# Allegro board LED_FIN.brd (continued)
## Nets (continued)
COL_OUT_A94: D26.1(CATHODE) D56.1(CATHODE) D86.1(CATHODE) D116.1(CATHODE) D146.1(CATHODE) D176.1(CATHODE) D206.1(CATHODE) D236.1(CATHODE) D266.1(CATHODE) D296.1(CATHODE) D326.1(CATHODE) D356.1(CATHODE) D386.1(CATHODE) D416.1(CATHODE) D446.1(CATHODE) D476.1(CATHODE) D506.1(CATHODE) D536.1(CATHODE) D566.1(CATHODE) D596.1(CATHODE) D626.1(CATHODE) D656.1(CATHODE) D686.1(CATHODE) D716.1(CATHODE) D746.1(CATHODE) D776.1(CATHODE) D806.1(CATHODE) D836.1(CATHODE) D866.1(CATHODE) D896.1(CATHODE) D926.1(CATHODE) D956.1(CATHODE) D986.1(CATHODE) D1016.1(CATHODE) D1046.1(CATHODE) D1076.1(CATHODE) D1106.1(CATHODE) D1136.1(CATHODE) R26.1
COL_OUT_A95: D25.1(CATHODE) D55.1(CATHODE) D85.1(CATHODE) D115.1(CATHODE) D145.1(CATHODE) D175.1(CATHODE) D205.1(CATHODE) D235.1(CATHODE) D265.1(CATHODE) D295.1(CATHODE) D325.1(CATHODE) D355.1(CATHODE) D385.1(CATHODE) D415.1(CATHODE) D445.1(CATHODE) D475.1(CATHODE) D505.1(CATHODE) D535.1(CATHODE) D565.1(CATHODE) D595.1(CATHODE) D625.1(CATHODE) D655.1(CATHODE) D685.1(CATHODE) D715.1(CATHODE) D745.1(CATHODE) D775.1(CATHODE) D805.1(CATHODE) D835.1(CATHODE) D865.1(CATHODE) D895.1(CATHODE) D925.1(CATHODE) D955.1(CATHODE) D985.1(CATHODE) D1015.1(CATHODE) D1045.1(CATHODE) D1075.1(CATHODE) D1105.1(CATHODE) D1135.1(CATHODE) R25.1
COL_OUT_A96: D24.1(CATHODE) D54.1(CATHODE) D84.1(CATHODE) D114.1(CATHODE) D144.1(CATHODE) D174.1(CATHODE) D204.1(CATHODE) D234.1(CATHODE) D264.1(CATHODE) D294.1(CATHODE) D324.1(CATHODE) D354.1(CATHODE) D384.1(CATHODE) D414.1(CATHODE) D444.1(CATHODE) D474.1(CATHODE) D504.1(CATHODE) D534.1(CATHODE) D564.1(CATHODE) D594.1(CATHODE) D624.1(CATHODE) D654.1(CATHODE) D684.1(CATHODE) D714.1(CATHODE) D744.1(CATHODE) D774.1(CATHODE) D804.1(CATHODE) D834.1(CATHODE) D864.1(CATHODE) D894.1(CATHODE) D924.1(CATHODE) D954.1(CATHODE) D984.1(CATHODE) D1014.1(CATHODE) D1044.1(CATHODE) D1074.1(CATHODE) D1104.1(CATHODE) D1134.1(CATHODE) R24.1
COL_OUT_A97: D23.1(CATHODE) D53.1(CATHODE) D83.1(CATHODE) D113.1(CATHODE) D143.1(CATHODE) D173.1(CATHODE) D203.1(CATHODE) D233.1(CATHODE) D263.1(CATHODE) D293.1(CATHODE) D323.1(CATHODE) D353.1(CATHODE) D383.1(CATHODE) D413.1(CATHODE) D443.1(CATHODE) D473.1(CATHODE) D503.1(CATHODE) D533.1(CATHODE) D563.1(CATHODE) D593.1(CATHODE) D623.1(CATHODE) D653.1(CATHODE) D683.1(CATHODE) D713.1(CATHODE) D743.1(CATHODE) D773.1(CATHODE) D803.1(CATHODE) D833.1(CATHODE) D863.1(CATHODE) D893.1(CATHODE) D923.1(CATHODE) D953.1(CATHODE) D983.1(CATHODE) D1013.1(CATHODE) D1043.1(CATHODE) D1073.1(CATHODE) D1103.1(CATHODE) D1133.1(CATHODE) R23.1
COL_OUT_A98: D22.1(CATHODE) D52.1(CATHODE) D82.1(CATHODE) D112.1(CATHODE) D142.1(CATHODE) D172.1(CATHODE) D202.1(CATHODE) D232.1(CATHODE) D262.1(CATHODE) D292.1(CATHODE) D322.1(CATHODE) D352.1(CATHODE) D382.1(CATHODE) D412.1(CATHODE) D442.1(CATHODE) D472.1(CATHODE) D502.1(CATHODE) D532.1(CATHODE) D562.1(CATHODE) D592.1(CATHODE) D622.1(CATHODE) D652.1(CATHODE) D682.1(CATHODE) D712.1(CATHODE) D742.1(CATHODE) D772.1(CATHODE) D802.1(CATHODE) D832.1(CATHODE) D862.1(CATHODE) D892.1(CATHODE) D922.1(CATHODE) D952.1(CATHODE) D982.1(CATHODE) D1012.1(CATHODE) D1042.1(CATHODE) D1072.1(CATHODE) D1102.1(CATHODE) D1132.1(CATHODE) R22.1
COL_OUT_A99: D21.1(CATHODE) D51.1(CATHODE) D81.1(CATHODE) D111.1(CATHODE) D141.1(CATHODE) D171.1(CATHODE) D201.1(CATHODE) D231.1(CATHODE) D261.1(CATHODE) D291.1(CATHODE) D321.1(CATHODE) D351.1(CATHODE) D381.1(CATHODE) D411.1(CATHODE) D441.1(CATHODE) D471.1(CATHODE) D501.1(CATHODE) D531.1(CATHODE) D561.1(CATHODE) D591.1(CATHODE) D621.1(CATHODE) D651.1(CATHODE) D681.1(CATHODE) D711.1(CATHODE) D741.1(CATHODE) D771.1(CATHODE) D801.1(CATHODE) D831.1(CATHODE) D861.1(CATHODE) D891.1(CATHODE) D921.1(CATHODE) D951.1(CATHODE) D981.1(CATHODE) D1011.1(CATHODE) D1041.1(CATHODE) D1071.1(CATHODE) D1101.1(CATHODE) D1131.1(CATHODE) R21.1
COL_OUT_A100: D20.1(CATHODE) D50.1(CATHODE) D80.1(CATHODE) D110.1(CATHODE) D140.1(CATHODE) D170.1(CATHODE) D200.1(CATHODE) D230.1(CATHODE) D260.1(CATHODE) D290.1(CATHODE) D320.1(CATHODE) D350.1(CATHODE) D380.1(CATHODE) D410.1(CATHODE) D440.1(CATHODE) D470.1(CATHODE) D500.1(CATHODE) D530.1(CATHODE) D560.1(CATHODE) D590.1(CATHODE) D620.1(CATHODE) D650.1(CATHODE) D680.1(CATHODE) D710.1(CATHODE) D740.1(CATHODE) D770.1(CATHODE) D800.1(CATHODE) D830.1(CATHODE) D860.1(CATHODE) D890.1(CATHODE) D920.1(CATHODE) D950.1(CATHODE) D980.1(CATHODE) D1010.1(CATHODE) D1040.1(CATHODE) D1070.1(CATHODE) D1100.1(CATHODE) D1130.1(CATHODE) R20.1
COL_OUT_A101: D19.1(CATHODE) D49.1(CATHODE) D79.1(CATHODE) D109.1(CATHODE) D139.1(CATHODE) D169.1(CATHODE) D199.1(CATHODE) D229.1(CATHODE) D259.1(CATHODE) D289.1(CATHODE) D319.1(CATHODE) D349.1(CATHODE) D379.1(CATHODE) D409.1(CATHODE) D439.1(CATHODE) D469.1(CATHODE) D499.1(CATHODE) D529.1(CATHODE) D559.1(CATHODE) D589.1(CATHODE) D619.1(CATHODE) D649.1(CATHODE) D679.1(CATHODE) D709.1(CATHODE) D739.1(CATHODE) D769.1(CATHODE) D799.1(CATHODE) D829.1(CATHODE) D859.1(CATHODE) D889.1(CATHODE) D919.1(CATHODE) D949.1(CATHODE) D979.1(CATHODE) D1009.1(CATHODE) D1039.1(CATHODE) D1069.1(CATHODE) D1099.1(CATHODE) D1129.1(CATHODE) R19.1
COL_OUT_A102: D18.1(CATHODE) D48.1(CATHODE) D78.1(CATHODE) D108.1(CATHODE) D138.1(CATHODE) D168.1(CATHODE) D198.1(CATHODE) D228.1(CATHODE) D258.1(CATHODE) D288.1(CATHODE) D318.1(CATHODE) D348.1(CATHODE) D378.1(CATHODE) D408.1(CATHODE) D438.1(CATHODE) D468.1(CATHODE) D498.1(CATHODE) D528.1(CATHODE) D558.1(CATHODE) D588.1(CATHODE) D618.1(CATHODE) D648.1(CATHODE) D678.1(CATHODE) D708.1(CATHODE) D738.1(CATHODE) D768.1(CATHODE) D798.1(CATHODE) D828.1(CATHODE) D858.1(CATHODE) D888.1(CATHODE) D918.1(CATHODE) D948.1(CATHODE) D978.1(CATHODE) D1008.1(CATHODE) D1038.1(CATHODE) D1068.1(CATHODE) D1098.1(CATHODE) D1128.1(CATHODE) R18.1
COL_OUT_A103: D17.1(CATHODE) D47.1(CATHODE) D77.1(CATHODE) D107.1(CATHODE) D137.1(CATHODE) D167.1(CATHODE) D197.1(CATHODE) D227.1(CATHODE) D257.1(CATHODE) D287.1(CATHODE) D317.1(CATHODE) D347.1(CATHODE) D377.1(CATHODE) D407.1(CATHODE) D437.1(CATHODE) D467.1(CATHODE) D497.1(CATHODE) D527.1(CATHODE) D557.1(CATHODE) D587.1(CATHODE) D617.1(CATHODE) D647.1(CATHODE) D677.1(CATHODE) D707.1(CATHODE) D737.1(CATHODE) D767.1(CATHODE) D797.1(CATHODE) D827.1(CATHODE) D857.1(CATHODE) D887.1(CATHODE) D917.1(CATHODE) D947.1(CATHODE) D977.1(CATHODE) D1007.1(CATHODE) D1037.1(CATHODE) D1067.1(CATHODE) D1097.1(CATHODE) D1127.1(CATHODE) R17.1
COL_OUT_A104: D16.1(CATHODE) D46.1(CATHODE) D76.1(CATHODE) D106.1(CATHODE) D136.1(CATHODE) D166.1(CATHODE) D196.1(CATHODE) D226.1(CATHODE) D256.1(CATHODE) D286.1(CATHODE) D316.1(CATHODE) D346.1(CATHODE) D376.1(CATHODE) D406.1(CATHODE) D436.1(CATHODE) D466.1(CATHODE) D496.1(CATHODE) D526.1(CATHODE) D556.1(CATHODE) D586.1(CATHODE) D616.1(CATHODE) D646.1(CATHODE) D676.1(CATHODE) D706.1(CATHODE) D736.1(CATHODE) D766.1(CATHODE) D796.1(CATHODE) D826.1(CATHODE) D856.1(CATHODE) D886.1(CATHODE) D916.1(CATHODE) D946.1(CATHODE) D976.1(CATHODE) D1006.1(CATHODE) D1036.1(CATHODE) D1066.1(CATHODE) D1096.1(CATHODE) D1126.1(CATHODE) R16.1
COL_OUT_A105: D15.1(CATHODE) D45.1(CATHODE) D75.1(CATHODE) D105.1(CATHODE) D135.1(CATHODE) D165.1(CATHODE) D195.1(CATHODE) D225.1(CATHODE) D255.1(CATHODE) D285.1(CATHODE) D315.1(CATHODE) D345.1(CATHODE) D375.1(CATHODE) D405.1(CATHODE) D435.1(CATHODE) D465.1(CATHODE) D495.1(CATHODE) D525.1(CATHODE) D555.1(CATHODE) D585.1(CATHODE) D615.1(CATHODE) D645.1(CATHODE) D675.1(CATHODE) D705.1(CATHODE) D735.1(CATHODE) D765.1(CATHODE) D795.1(CATHODE) D825.1(CATHODE) D855.1(CATHODE) D885.1(CATHODE) D915.1(CATHODE) D945.1(CATHODE) D975.1(CATHODE) D1005.1(CATHODE) D1035.1(CATHODE) D1065.1(CATHODE) D1095.1(CATHODE) D1125.1(CATHODE) R15.1
COL_OUT_A106: D14.1(CATHODE) D44.1(CATHODE) D74.1(CATHODE) D104.1(CATHODE) D134.1(CATHODE) D164.1(CATHODE) D194.1(CATHODE) D224.1(CATHODE) D254.1(CATHODE) D284.1(CATHODE) D314.1(CATHODE) D344.1(CATHODE) D374.1(CATHODE) D404.1(CATHODE) D434.1(CATHODE) D464.1(CATHODE) D494.1(CATHODE) D524.1(CATHODE) D554.1(CATHODE) D584.1(CATHODE) D614.1(CATHODE) D644.1(CATHODE) D674.1(CATHODE) D704.1(CATHODE) D734.1(CATHODE) D764.1(CATHODE) D794.1(CATHODE) D824.1(CATHODE) D854.1(CATHODE) D884.1(CATHODE) D914.1(CATHODE) D944.1(CATHODE) D974.1(CATHODE) D1004.1(CATHODE) D1034.1(CATHODE) D1064.1(CATHODE) D1094.1(CATHODE) D1124.1(CATHODE) R14.1
COL_OUT_A107: D13.1(CATHODE) D43.1(CATHODE) D73.1(CATHODE) D103.1(CATHODE) D133.1(CATHODE) D163.1(CATHODE) D193.1(CATHODE) D223.1(CATHODE) D253.1(CATHODE) D283.1(CATHODE) D313.1(CATHODE) D343.1(CATHODE) D373.1(CATHODE) D403.1(CATHODE) D433.1(CATHODE) D463.1(CATHODE) D493.1(CATHODE) D523.1(CATHODE) D553.1(CATHODE) D583.1(CATHODE) D613.1(CATHODE) D643.1(CATHODE) D673.1(CATHODE) D703.1(CATHODE) D733.1(CATHODE) D763.1(CATHODE) D793.1(CATHODE) D823.1(CATHODE) D853.1(CATHODE) D883.1(CATHODE) D913.1(CATHODE) D943.1(CATHODE) D973.1(CATHODE) D1003.1(CATHODE) D1033.1(CATHODE) D1063.1(CATHODE) D1093.1(CATHODE) D1123.1(CATHODE) R13.1
COL_OUT_A108: D12.1(CATHODE) D42.1(CATHODE) D72.1(CATHODE) D102.1(CATHODE) D132.1(CATHODE) D162.1(CATHODE) D192.1(CATHODE) D222.1(CATHODE) D252.1(CATHODE) D282.1(CATHODE) D312.1(CATHODE) D342.1(CATHODE) D372.1(CATHODE) D402.1(CATHODE) D432.1(CATHODE) D462.1(CATHODE) D492.1(CATHODE) D522.1(CATHODE) D552.1(CATHODE) D582.1(CATHODE) D612.1(CATHODE) D642.1(CATHODE) D672.1(CATHODE) D702.1(CATHODE) D732.1(CATHODE) D762.1(CATHODE) D792.1(CATHODE) D822.1(CATHODE) D852.1(CATHODE) D882.1(CATHODE) D912.1(CATHODE) D942.1(CATHODE) D972.1(CATHODE) D1002.1(CATHODE) D1032.1(CATHODE) D1062.1(CATHODE) D1092.1(CATHODE) D1122.1(CATHODE) R12.1
COL_OUT_A109: D11.1(CATHODE) D41.1(CATHODE) D71.1(CATHODE) D101.1(CATHODE) D131.1(CATHODE) D161.1(CATHODE) D191.1(CATHODE) D221.1(CATHODE) D251.1(CATHODE) D281.1(CATHODE) D311.1(CATHODE) D341.1(CATHODE) D371.1(CATHODE) D401.1(CATHODE) D431.1(CATHODE) D461.1(CATHODE) D491.1(CATHODE) D521.1(CATHODE) D551.1(CATHODE) D581.1(CATHODE) D611.1(CATHODE) D641.1(CATHODE) D671.1(CATHODE) D701.1(CATHODE) D731.1(CATHODE) D761.1(CATHODE) D791.1(CATHODE) D821.1(CATHODE) D851.1(CATHODE) D881.1(CATHODE) D911.1(CATHODE) D941.1(CATHODE) D971.1(CATHODE) D1001.1(CATHODE) D1031.1(CATHODE) D1061.1(CATHODE) D1091.1(CATHODE) D1121.1(CATHODE) R11.1
COL_OUT_A110: D10.1(CATHODE) D40.1(CATHODE) D70.1(CATHODE) D100.1(CATHODE) D130.1(CATHODE) D160.1(CATHODE) D190.1(CATHODE) D220.1(CATHODE) D250.1(CATHODE) D280.1(CATHODE) D310.1(CATHODE) D340.1(CATHODE) D370.1(CATHODE) D400.1(CATHODE) D430.1(CATHODE) D460.1(CATHODE) D490.1(CATHODE) D520.1(CATHODE) D550.1(CATHODE) D580.1(CATHODE) D610.1(CATHODE) D640.1(CATHODE) D670.1(CATHODE) D700.1(CATHODE) D730.1(CATHODE) D760.1(CATHODE) D790.1(CATHODE) D820.1(CATHODE) D850.1(CATHODE) D880.1(CATHODE) D910.1(CATHODE) D940.1(CATHODE) D970.1(CATHODE) D1000.1(CATHODE) D1030.1(CATHODE) D1060.1(CATHODE) D1090.1(CATHODE) D1120.1(CATHODE) R10.1
COL_OUT_A111: D9.1(CATHODE) D39.1(CATHODE) D69.1(CATHODE) D99.1(CATHODE) D129.1(CATHODE) D159.1(CATHODE) D189.1(CATHODE) D219.1(CATHODE) D249.1(CATHODE) D279.1(CATHODE) D309.1(CATHODE) D339.1(CATHODE) D369.1(CATHODE) D399.1(CATHODE) D429.1(CATHODE) D459.1(CATHODE) D489.1(CATHODE) D519.1(CATHODE) D549.1(CATHODE) D579.1(CATHODE) D609.1(CATHODE) D639.1(CATHODE) D669.1(CATHODE) D699.1(CATHODE) D729.1(CATHODE) D759.1(CATHODE) D789.1(CATHODE) D819.1(CATHODE) D849.1(CATHODE) D879.1(CATHODE) D909.1(CATHODE) D939.1(CATHODE) D969.1(CATHODE) D999.1(CATHODE) D1029.1(CATHODE) D1059.1(CATHODE) D1089.1(CATHODE) D1119.1(CATHODE) R9.1
COL_OUT_A112: D8.1(CATHODE) D38.1(CATHODE) D68.1(CATHODE) D98.1(CATHODE) D128.1(CATHODE) D158.1(CATHODE) D188.1(CATHODE) D218.1(CATHODE) D248.1(CATHODE) D278.1(CATHODE) D308.1(CATHODE) D338.1(CATHODE) D368.1(CATHODE) D398.1(CATHODE) D428.1(CATHODE) D458.1(CATHODE) D488.1(CATHODE) D518.1(CATHODE) D548.1(CATHODE) D578.1(CATHODE) D608.1(CATHODE) D638.1(CATHODE) D668.1(CATHODE) D698.1(CATHODE) D728.1(CATHODE) D758.1(CATHODE) D788.1(CATHODE) D818.1(CATHODE) D848.1(CATHODE) D878.1(CATHODE) D908.1(CATHODE) D938.1(CATHODE) D968.1(CATHODE) D998.1(CATHODE) D1028.1(CATHODE) D1058.1(CATHODE) D1088.1(CATHODE) D1118.1(CATHODE) R8.1
COL_OUT_A113: D7.1(CATHODE) D37.1(CATHODE) D67.1(CATHODE) D97.1(CATHODE) D127.1(CATHODE) D157.1(CATHODE) D187.1(CATHODE) D217.1(CATHODE) D247.1(CATHODE) D277.1(CATHODE) D307.1(CATHODE) D337.1(CATHODE) D367.1(CATHODE) D397.1(CATHODE) D427.1(CATHODE) D457.1(CATHODE) D487.1(CATHODE) D517.1(CATHODE) D547.1(CATHODE) D577.1(CATHODE) D607.1(CATHODE) D637.1(CATHODE) D667.1(CATHODE) D697.1(CATHODE) D727.1(CATHODE) D757.1(CATHODE) D787.1(CATHODE) D817.1(CATHODE) D847.1(CATHODE) D877.1(CATHODE) D907.1(CATHODE) D937.1(CATHODE) D967.1(CATHODE) D997.1(CATHODE) D1027.1(CATHODE) D1057.1(CATHODE) D1087.1(CATHODE) D1117.1(CATHODE) R7.1
COL_OUT_A114: D6.1(CATHODE) D36.1(CATHODE) D66.1(CATHODE) D96.1(CATHODE) D126.1(CATHODE) D156.1(CATHODE) D186.1(CATHODE) D216.1(CATHODE) D246.1(CATHODE) D276.1(CATHODE) D306.1(CATHODE) D336.1(CATHODE) D366.1(CATHODE) D396.1(CATHODE) D426.1(CATHODE) D456.1(CATHODE) D486.1(CATHODE) D516.1(CATHODE) D546.1(CATHODE) D576.1(CATHODE) D606.1(CATHODE) D636.1(CATHODE) D666.1(CATHODE) D696.1(CATHODE) D726.1(CATHODE) D756.1(CATHODE) D786.1(CATHODE) D816.1(CATHODE) D846.1(CATHODE) D876.1(CATHODE) D906.1(CATHODE) D936.1(CATHODE) D966.1(CATHODE) D996.1(CATHODE) D1026.1(CATHODE) D1056.1(CATHODE) D1086.1(CATHODE) D1116.1(CATHODE) R6.1
COL_OUT_A115: D5.1(CATHODE) D35.1(CATHODE) D65.1(CATHODE) D95.1(CATHODE) D125.1(CATHODE) D155.1(CATHODE) D185.1(CATHODE) D215.1(CATHODE) D245.1(CATHODE) D275.1(CATHODE) D305.1(CATHODE) D335.1(CATHODE) D365.1(CATHODE) D395.1(CATHODE) D425.1(CATHODE) D455.1(CATHODE) D485.1(CATHODE) D515.1(CATHODE) D545.1(CATHODE) D575.1(CATHODE) D605.1(CATHODE) D635.1(CATHODE) D665.1(CATHODE) D695.1(CATHODE) D725.1(CATHODE) D755.1(CATHODE) D785.1(CATHODE) D815.1(CATHODE) D845.1(CATHODE) D875.1(CATHODE) D905.1(CATHODE) D935.1(CATHODE) D965.1(CATHODE) D995.1(CATHODE) D1025.1(CATHODE) D1055.1(CATHODE) D1085.1(CATHODE) D1115.1(CATHODE) R5.1
COL_OUT_A116: D4.1(CATHODE) D34.1(CATHODE) D64.1(CATHODE) D94.1(CATHODE) D124.1(CATHODE) D154.1(CATHODE) D184.1(CATHODE) D214.1(CATHODE) D244.1(CATHODE) D274.1(CATHODE) D304.1(CATHODE) D334.1(CATHODE) D364.1(CATHODE) D394.1(CATHODE) D424.1(CATHODE) D454.1(CATHODE) D484.1(CATHODE) D514.1(CATHODE) D544.1(CATHODE) D574.1(CATHODE) D604.1(CATHODE) D634.1(CATHODE) D664.1(CATHODE) D694.1(CATHODE) D724.1(CATHODE) D754.1(CATHODE) D784.1(CATHODE) D814.1(CATHODE) D844.1(CATHODE) D874.1(CATHODE) D904.1(CATHODE) D934.1(CATHODE) D964.1(CATHODE) D994.1(CATHODE) D1024.1(CATHODE) D1054.1(CATHODE) D1084.1(CATHODE) D1114.1(CATHODE) R4.1
COL_OUT_A117: D3.1(CATHODE) D33.1(CATHODE) D63.1(CATHODE) D93.1(CATHODE) D123.1(CATHODE) D153.1(CATHODE) D183.1(CATHODE) D213.1(CATHODE) D243.1(CATHODE) D273.1(CATHODE) D303.1(CATHODE) D333.1(CATHODE) D363.1(CATHODE) D393.1(CATHODE) D423.1(CATHODE) D453.1(CATHODE) D483.1(CATHODE) D513.1(CATHODE) D543.1(CATHODE) D573.1(CATHODE) D603.1(CATHODE) D633.1(CATHODE) D663.1(CATHODE) D693.1(CATHODE) D723.1(CATHODE) D753.1(CATHODE) D783.1(CATHODE) D813.1(CATHODE) D843.1(CATHODE) D873.1(CATHODE) D903.1(CATHODE) D933.1(CATHODE) D963.1(CATHODE) D993.1(CATHODE) D1023.1(CATHODE) D1053.1(CATHODE) D1083.1(CATHODE) D1113.1(CATHODE) R3.1
COL_OUT_A118: D2.1(CATHODE) D32.1(CATHODE) D62.1(CATHODE) D92.1(CATHODE) D122.1(CATHODE) D152.1(CATHODE) D182.1(CATHODE) D212.1(CATHODE) D242.1(CATHODE) D272.1(CATHODE) D302.1(CATHODE) D332.1(CATHODE) D362.1(CATHODE) D392.1(CATHODE) D422.1(CATHODE) D452.1(CATHODE) D482.1(CATHODE) D512.1(CATHODE) D542.1(CATHODE) D572.1(CATHODE) D602.1(CATHODE) D632.1(CATHODE) D662.1(CATHODE) D692.1(CATHODE) D722.1(CATHODE) D752.1(CATHODE) D782.1(CATHODE) D812.1(CATHODE) D842.1(CATHODE) D872.1(CATHODE) D902.1(CATHODE) D932.1(CATHODE) D962.1(CATHODE) D992.1(CATHODE) D1022.1(CATHODE) D1052.1(CATHODE) D1082.1(CATHODE) D1112.1(CATHODE) R2.1
COL_OUT_A119: D1.1(CATHODE) D31.1(CATHODE) D61.1(CATHODE) D91.1(CATHODE) D121.1(CATHODE) D151.1(CATHODE) D181.1(CATHODE) D211.1(CATHODE) D241.1(CATHODE) D271.1(CATHODE) D301.1(CATHODE) D331.1(CATHODE) D361.1(CATHODE) D391.1(CATHODE) D421.1(CATHODE) D451.1(CATHODE) D481.1(CATHODE) D511.1(CATHODE) D541.1(CATHODE) D571.1(CATHODE) D601.1(CATHODE) D631.1(CATHODE) D661.1(CATHODE) D691.1(CATHODE) D721.1(CATHODE) D751.1(CATHODE) D781.1(CATHODE) D811.1(CATHODE) D841.1(CATHODE) D871.1(CATHODE) D901.1(CATHODE) D931.1(CATHODE) D961.1(CATHODE) D991.1(CATHODE) D1021.1(CATHODE) D1051.1(CATHODE) D1081.1(CATHODE) D1111.1(CATHODE) R1.1
COL_OUT_B0: D8010.1(CATHODE) D8040.1(CATHODE) D8070.1(CATHODE) D8100.1(CATHODE) D8130.1(CATHODE) D8160.1(CATHODE) D8190.1(CATHODE) D8220.1(CATHODE) D8250.1(CATHODE) D8280.1(CATHODE) D8310.1(CATHODE) D8340.1(CATHODE) D8370.1(CATHODE) D8400.1(CATHODE) D8430.1(CATHODE) D8460.1(CATHODE) D8490.1(CATHODE) D8520.1(CATHODE) D8550.1(CATHODE) D8580.1(CATHODE) D8610.1(CATHODE) D8640.1(CATHODE) D8670.1(CATHODE) D8700.1(CATHODE) D8730.1(CATHODE) D8760.1(CATHODE) D8790.1(CATHODE) D8820.1(CATHODE) D8850.1(CATHODE) D8880.1(CATHODE) D8910.1(CATHODE) D8940.1(CATHODE) D8970.1(CATHODE) D9000.1(CATHODE) D9030.1(CATHODE) D9060.1(CATHODE) D9090.1(CATHODE) D9120.1(CATHODE) R240.1
COL_OUT_B1: D8009.1(CATHODE) D8039.1(CATHODE) D8069.1(CATHODE) D8099.1(CATHODE) D8129.1(CATHODE) D8159.1(CATHODE) D8189.1(CATHODE) D8219.1(CATHODE) D8249.1(CATHODE) D8279.1(CATHODE) D8309.1(CATHODE) D8339.1(CATHODE) D8369.1(CATHODE) D8399.1(CATHODE) D8429.1(CATHODE) D8459.1(CATHODE) D8489.1(CATHODE) D8519.1(CATHODE) D8549.1(CATHODE) D8579.1(CATHODE) D8609.1(CATHODE) D8639.1(CATHODE) D8669.1(CATHODE) D8699.1(CATHODE) D8729.1(CATHODE) D8759.1(CATHODE) D8789.1(CATHODE) D8819.1(CATHODE) D8849.1(CATHODE) D8879.1(CATHODE) D8909.1(CATHODE) D8939.1(CATHODE) D8969.1(CATHODE) D8999.1(CATHODE) D9029.1(CATHODE) D9059.1(CATHODE) D9089.1(CATHODE) D9119.1(CATHODE) R239.1
COL_OUT_B2: D8008.1(CATHODE) D8038.1(CATHODE) D8068.1(CATHODE) D8098.1(CATHODE) D8128.1(CATHODE) D8158.1(CATHODE) D8188.1(CATHODE) D8218.1(CATHODE) D8248.1(CATHODE) D8278.1(CATHODE) D8308.1(CATHODE) D8338.1(CATHODE) D8368.1(CATHODE) D8398.1(CATHODE) D8428.1(CATHODE) D8458.1(CATHODE) D8488.1(CATHODE) D8518.1(CATHODE) D8548.1(CATHODE) D8578.1(CATHODE) D8608.1(CATHODE) D8638.1(CATHODE) D8668.1(CATHODE) D8698.1(CATHODE) D8728.1(CATHODE) D8758.1(CATHODE) D8788.1(CATHODE) D8818.1(CATHODE) D8848.1(CATHODE) D8878.1(CATHODE) D8908.1(CATHODE) D8938.1(CATHODE) D8968.1(CATHODE) D8998.1(CATHODE) D9028.1(CATHODE) D9058.1(CATHODE) D9088.1(CATHODE) D9118.1(CATHODE) R238.1
COL_OUT_B3: D8007.1(CATHODE) D8037.1(CATHODE) D8067.1(CATHODE) D8097.1(CATHODE) D8127.1(CATHODE) D8157.1(CATHODE) D8187.1(CATHODE) D8217.1(CATHODE) D8247.1(CATHODE) D8277.1(CATHODE) D8307.1(CATHODE) D8337.1(CATHODE) D8367.1(CATHODE) D8397.1(CATHODE) D8427.1(CATHODE) D8457.1(CATHODE) D8487.1(CATHODE) D8517.1(CATHODE) D8547.1(CATHODE) D8577.1(CATHODE) D8607.1(CATHODE) D8637.1(CATHODE) D8667.1(CATHODE) D8697.1(CATHODE) D8727.1(CATHODE) D8757.1(CATHODE) D8787.1(CATHODE) D8817.1(CATHODE) D8847.1(CATHODE) D8877.1(CATHODE) D8907.1(CATHODE) D8937.1(CATHODE) D8967.1(CATHODE) D8997.1(CATHODE) D9027.1(CATHODE) D9057.1(CATHODE) D9087.1(CATHODE) D9117.1(CATHODE) R237.1
COL_OUT_B4: D8006.1(CATHODE) D8036.1(CATHODE) D8066.1(CATHODE) D8096.1(CATHODE) D8126.1(CATHODE) D8156.1(CATHODE) D8186.1(CATHODE) D8216.1(CATHODE) D8246.1(CATHODE) D8276.1(CATHODE) D8306.1(CATHODE) D8336.1(CATHODE) D8366.1(CATHODE) D8396.1(CATHODE) D8426.1(CATHODE) D8456.1(CATHODE) D8486.1(CATHODE) D8516.1(CATHODE) D8546.1(CATHODE) D8576.1(CATHODE) D8606.1(CATHODE) D8636.1(CATHODE) D8666.1(CATHODE) D8696.1(CATHODE) D8726.1(CATHODE) D8756.1(CATHODE) D8786.1(CATHODE) D8816.1(CATHODE) D8846.1(CATHODE) D8876.1(CATHODE) D8906.1(CATHODE) D8936.1(CATHODE) D8966.1(CATHODE) D8996.1(CATHODE) D9026.1(CATHODE) D9056.1(CATHODE) D9086.1(CATHODE) D9116.1(CATHODE) R236.1
COL_OUT_B5: D8005.1(CATHODE) D8035.1(CATHODE) D8065.1(CATHODE) D8095.1(CATHODE) D8125.1(CATHODE) D8155.1(CATHODE) D8185.1(CATHODE) D8215.1(CATHODE) D8245.1(CATHODE) D8275.1(CATHODE) D8305.1(CATHODE) D8335.1(CATHODE) D8365.1(CATHODE) D8395.1(CATHODE) D8425.1(CATHODE) D8455.1(CATHODE) D8485.1(CATHODE) D8515.1(CATHODE) D8545.1(CATHODE) D8575.1(CATHODE) D8605.1(CATHODE) D8635.1(CATHODE) D8665.1(CATHODE) D8695.1(CATHODE) D8725.1(CATHODE) D8755.1(CATHODE) D8785.1(CATHODE) D8815.1(CATHODE) D8845.1(CATHODE) D8875.1(CATHODE) D8905.1(CATHODE) D8935.1(CATHODE) D8965.1(CATHODE) D8995.1(CATHODE) D9025.1(CATHODE) D9055.1(CATHODE) D9085.1(CATHODE) D9115.1(CATHODE) R235.1
COL_OUT_B6: D8004.1(CATHODE) D8034.1(CATHODE) D8064.1(CATHODE) D8094.1(CATHODE) D8124.1(CATHODE) D8154.1(CATHODE) D8184.1(CATHODE) D8214.1(CATHODE) D8244.1(CATHODE) D8274.1(CATHODE) D8304.1(CATHODE) D8334.1(CATHODE) D8364.1(CATHODE) D8394.1(CATHODE) D8424.1(CATHODE) D8454.1(CATHODE) D8484.1(CATHODE) D8514.1(CATHODE) D8544.1(CATHODE) D8574.1(CATHODE) D8604.1(CATHODE) D8634.1(CATHODE) D8664.1(CATHODE) D8694.1(CATHODE) D8724.1(CATHODE) D8754.1(CATHODE) D8784.1(CATHODE) D8814.1(CATHODE) D8844.1(CATHODE) D8874.1(CATHODE) D8904.1(CATHODE) D8934.1(CATHODE) D8964.1(CATHODE) D8994.1(CATHODE) D9024.1(CATHODE) D9054.1(CATHODE) D9084.1(CATHODE) D9114.1(CATHODE) R234.1
COL_OUT_B7: D8003.1(CATHODE) D8033.1(CATHODE) D8063.1(CATHODE) D8093.1(CATHODE) D8123.1(CATHODE) D8153.1(CATHODE) D8183.1(CATHODE) D8213.1(CATHODE) D8243.1(CATHODE) D8273.1(CATHODE) D8303.1(CATHODE) D8333.1(CATHODE) D8363.1(CATHODE) D8393.1(CATHODE) D8423.1(CATHODE) D8453.1(CATHODE) D8483.1(CATHODE) D8513.1(CATHODE) D8543.1(CATHODE) D8573.1(CATHODE) D8603.1(CATHODE) D8633.1(CATHODE) D8663.1(CATHODE) D8693.1(CATHODE) D8723.1(CATHODE) D8753.1(CATHODE) D8783.1(CATHODE) D8813.1(CATHODE) D8843.1(CATHODE) D8873.1(CATHODE) D8903.1(CATHODE) D8933.1(CATHODE) D8963.1(CATHODE) D8993.1(CATHODE) D9023.1(CATHODE) D9053.1(CATHODE) D9083.1(CATHODE) D9113.1(CATHODE) R233.1
COL_OUT_B8: D8002.1(CATHODE) D8032.1(CATHODE) D8062.1(CATHODE) D8092.1(CATHODE) D8122.1(CATHODE) D8152.1(CATHODE) D8182.1(CATHODE) D8212.1(CATHODE) D8242.1(CATHODE) D8272.1(CATHODE) D8302.1(CATHODE) D8332.1(CATHODE) D8362.1(CATHODE) D8392.1(CATHODE) D8422.1(CATHODE) D8452.1(CATHODE) D8482.1(CATHODE) D8512.1(CATHODE) D8542.1(CATHODE) D8572.1(CATHODE) D8602.1(CATHODE) D8632.1(CATHODE) D8662.1(CATHODE) D8692.1(CATHODE) D8722.1(CATHODE) D8752.1(CATHODE) D8782.1(CATHODE) D8812.1(CATHODE) D8842.1(CATHODE) D8872.1(CATHODE) D8902.1(CATHODE) D8932.1(CATHODE) D8962.1(CATHODE) D8992.1(CATHODE) D9022.1(CATHODE) D9052.1(CATHODE) D9082.1(CATHODE) D9112.1(CATHODE) R232.1
COL_OUT_B9: D8001.1(CATHODE) D8031.1(CATHODE) D8061.1(CATHODE) D8091.1(CATHODE) D8121.1(CATHODE) D8151.1(CATHODE) D8181.1(CATHODE) D8211.1(CATHODE) D8241.1(CATHODE) D8271.1(CATHODE) D8301.1(CATHODE) D8331.1(CATHODE) D8361.1(CATHODE) D8391.1(CATHODE) D8421.1(CATHODE) D8451.1(CATHODE) D8481.1(CATHODE) D8511.1(CATHODE) D8541.1(CATHODE) D8571.1(CATHODE) D8601.1(CATHODE) D8631.1(CATHODE) D8661.1(CATHODE) D8691.1(CATHODE) D8721.1(CATHODE) D8751.1(CATHODE) D8781.1(CATHODE) D8811.1(CATHODE) D8841.1(CATHODE) D8871.1(CATHODE) D8901.1(CATHODE) D8931.1(CATHODE) D8961.1(CATHODE) D8991.1(CATHODE) D9021.1(CATHODE) D9051.1(CATHODE) D9081.1(CATHODE) D9111.1(CATHODE) R231.1
COL_OUT_B10: D8000.1(CATHODE) D8030.1(CATHODE) D8060.1(CATHODE) D8090.1(CATHODE) D8120.1(CATHODE) D8150.1(CATHODE) D8180.1(CATHODE) D8210.1(CATHODE) D8240.1(CATHODE) D8270.1(CATHODE) D8300.1(CATHODE) D8330.1(CATHODE) D8360.1(CATHODE) D8390.1(CATHODE) D8420.1(CATHODE) D8450.1(CATHODE) D8480.1(CATHODE) D8510.1(CATHODE) D8540.1(CATHODE) D8570.1(CATHODE) D8600.1(CATHODE) D8630.1(CATHODE) D8660.1(CATHODE) D8690.1(CATHODE) D8720.1(CATHODE) D8750.1(CATHODE) D8780.1(CATHODE) D8810.1(CATHODE) D8840.1(CATHODE) D8870.1(CATHODE) D8900.1(CATHODE) D8930.1(CATHODE) D8960.1(CATHODE) D8990.1(CATHODE) D9020.1(CATHODE) D9050.1(CATHODE) D9080.1(CATHODE) D9110.1(CATHODE) R230.1
COL_OUT_B11: D7999.1(CATHODE) D8029.1(CATHODE) D8059.1(CATHODE) D8089.1(CATHODE) D8119.1(CATHODE) D8149.1(CATHODE) D8179.1(CATHODE) D8209.1(CATHODE) D8239.1(CATHODE) D8269.1(CATHODE) D8299.1(CATHODE) D8329.1(CATHODE) D8359.1(CATHODE) D8389.1(CATHODE) D8419.1(CATHODE) D8449.1(CATHODE) D8479.1(CATHODE) D8509.1(CATHODE) D8539.1(CATHODE) D8569.1(CATHODE) D8599.1(CATHODE) D8629.1(CATHODE) D8659.1(CATHODE) D8689.1(CATHODE) D8719.1(CATHODE) D8749.1(CATHODE) D8779.1(CATHODE) D8809.1(CATHODE) D8839.1(CATHODE) D8869.1(CATHODE) D8899.1(CATHODE) D8929.1(CATHODE) D8959.1(CATHODE) D8989.1(CATHODE) D9019.1(CATHODE) D9049.1(CATHODE) D9079.1(CATHODE) D9109.1(CATHODE) R229.1
COL_OUT_B12: D7998.1(CATHODE) D8028.1(CATHODE) D8058.1(CATHODE) D8088.1(CATHODE) D8118.1(CATHODE) D8148.1(CATHODE) D8178.1(CATHODE) D8208.1(CATHODE) D8238.1(CATHODE) D8268.1(CATHODE) D8298.1(CATHODE) D8328.1(CATHODE) D8358.1(CATHODE) D8388.1(CATHODE) D8418.1(CATHODE) D8448.1(CATHODE) D8478.1(CATHODE) D8508.1(CATHODE) D8538.1(CATHODE) D8568.1(CATHODE) D8598.1(CATHODE) D8628.1(CATHODE) D8658.1(CATHODE) D8688.1(CATHODE) D8718.1(CATHODE) D8748.1(CATHODE) D8778.1(CATHODE) D8808.1(CATHODE) D8838.1(CATHODE) D8868.1(CATHODE) D8898.1(CATHODE) D8928.1(CATHODE) D8958.1(CATHODE) D8988.1(CATHODE) D9018.1(CATHODE) D9048.1(CATHODE) D9078.1(CATHODE) D9108.1(CATHODE) R228.1